# Altium PCB sna_pcb.PcbDoc
Units mm, origin at the board's own origin, x right, y up, seen from the top; angles counter-clockwise.
Board outline 60 x 60 mm, 4 copper layers (Top Layer, GND, PWR, Bottom Layer), stack 1.121 mm thick; 93 components, 54 nets, 266 pads, 239 vias.
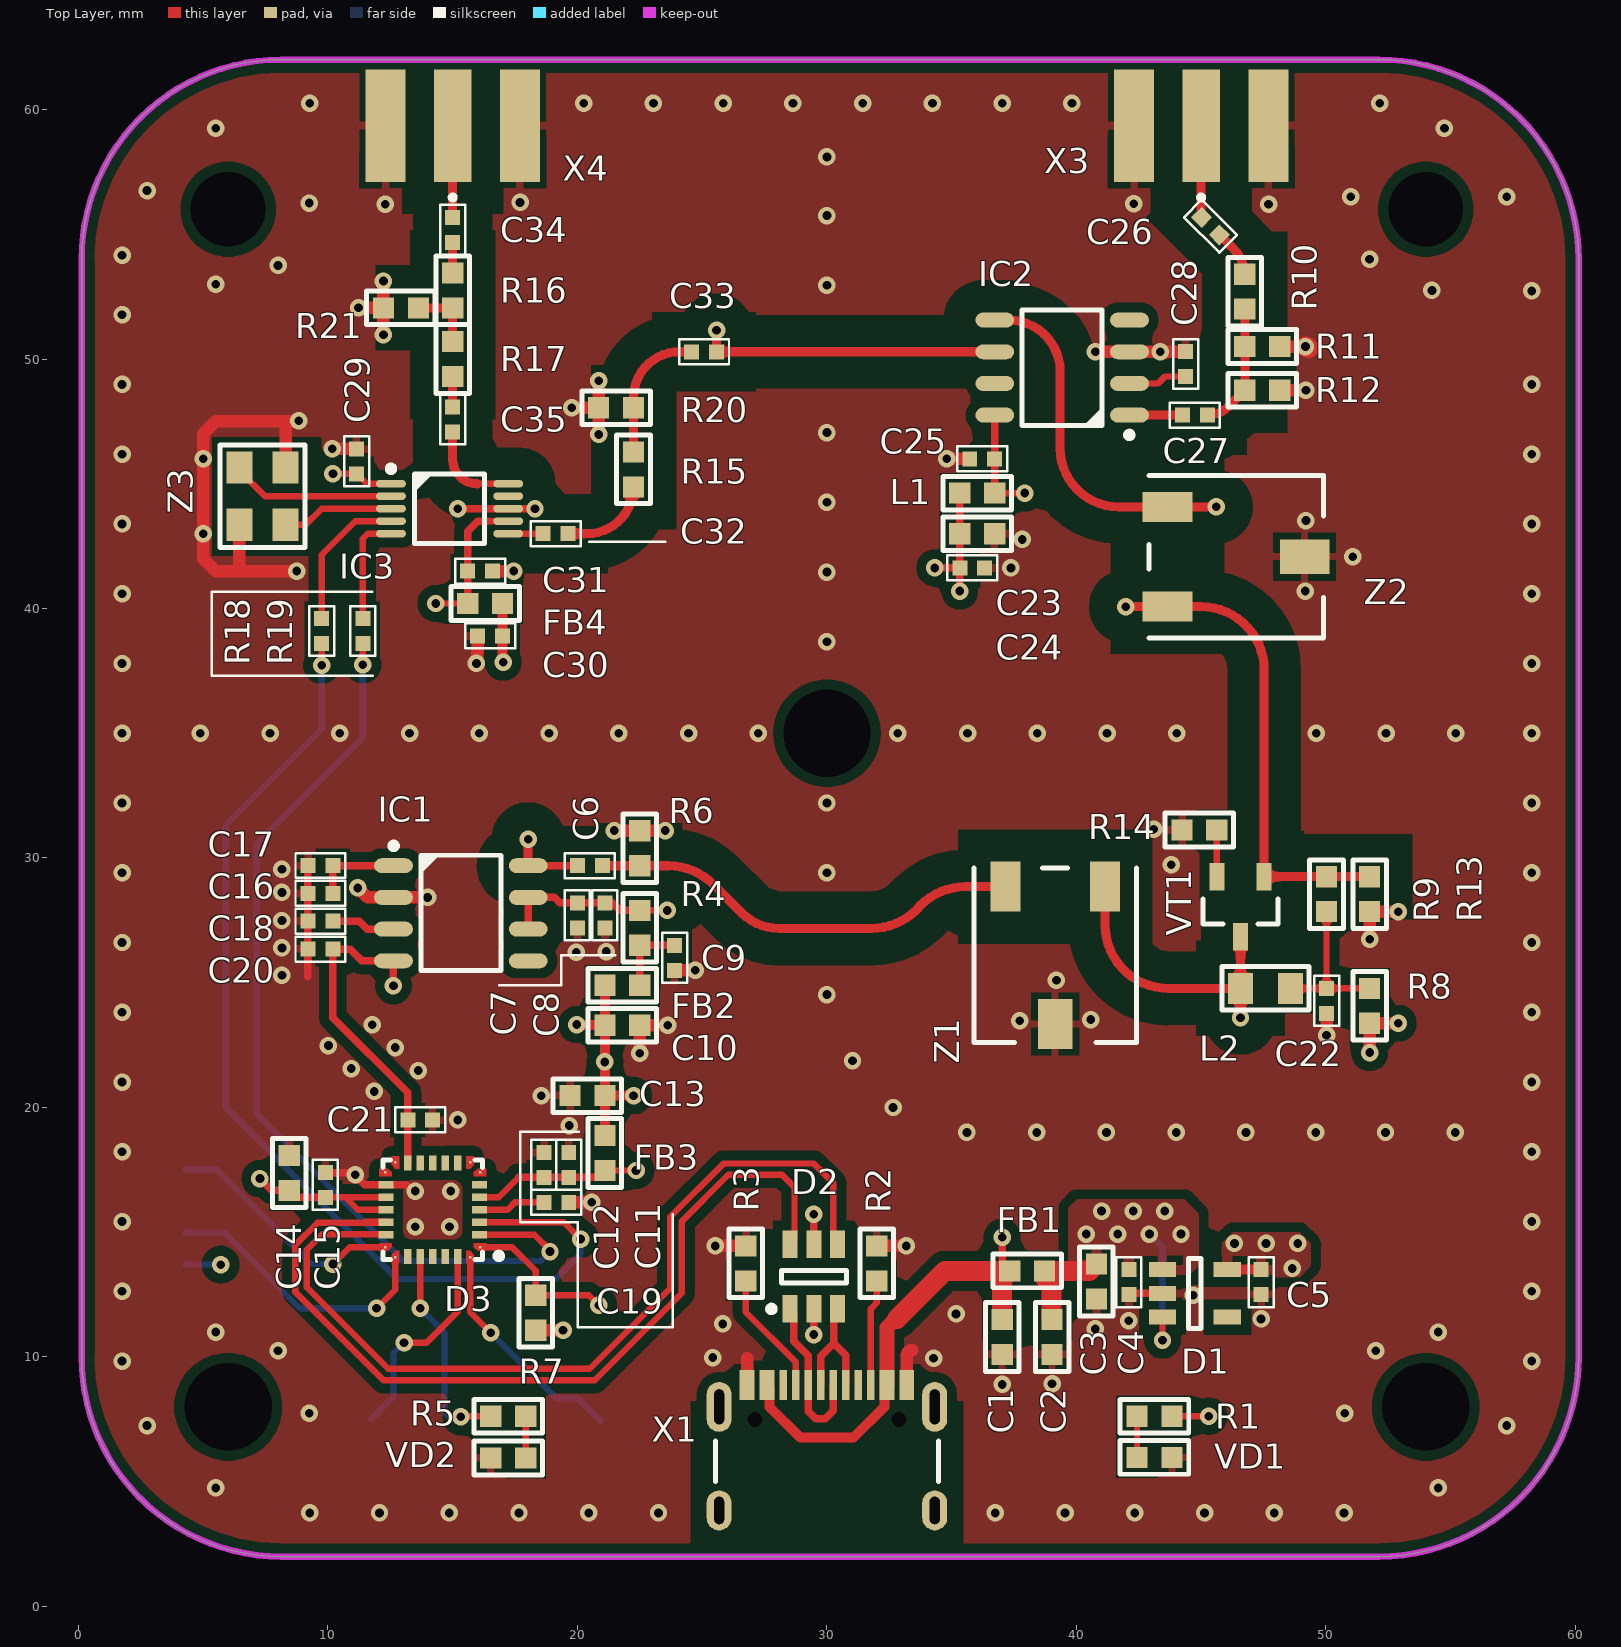
[diagram p0: Top Layer view]
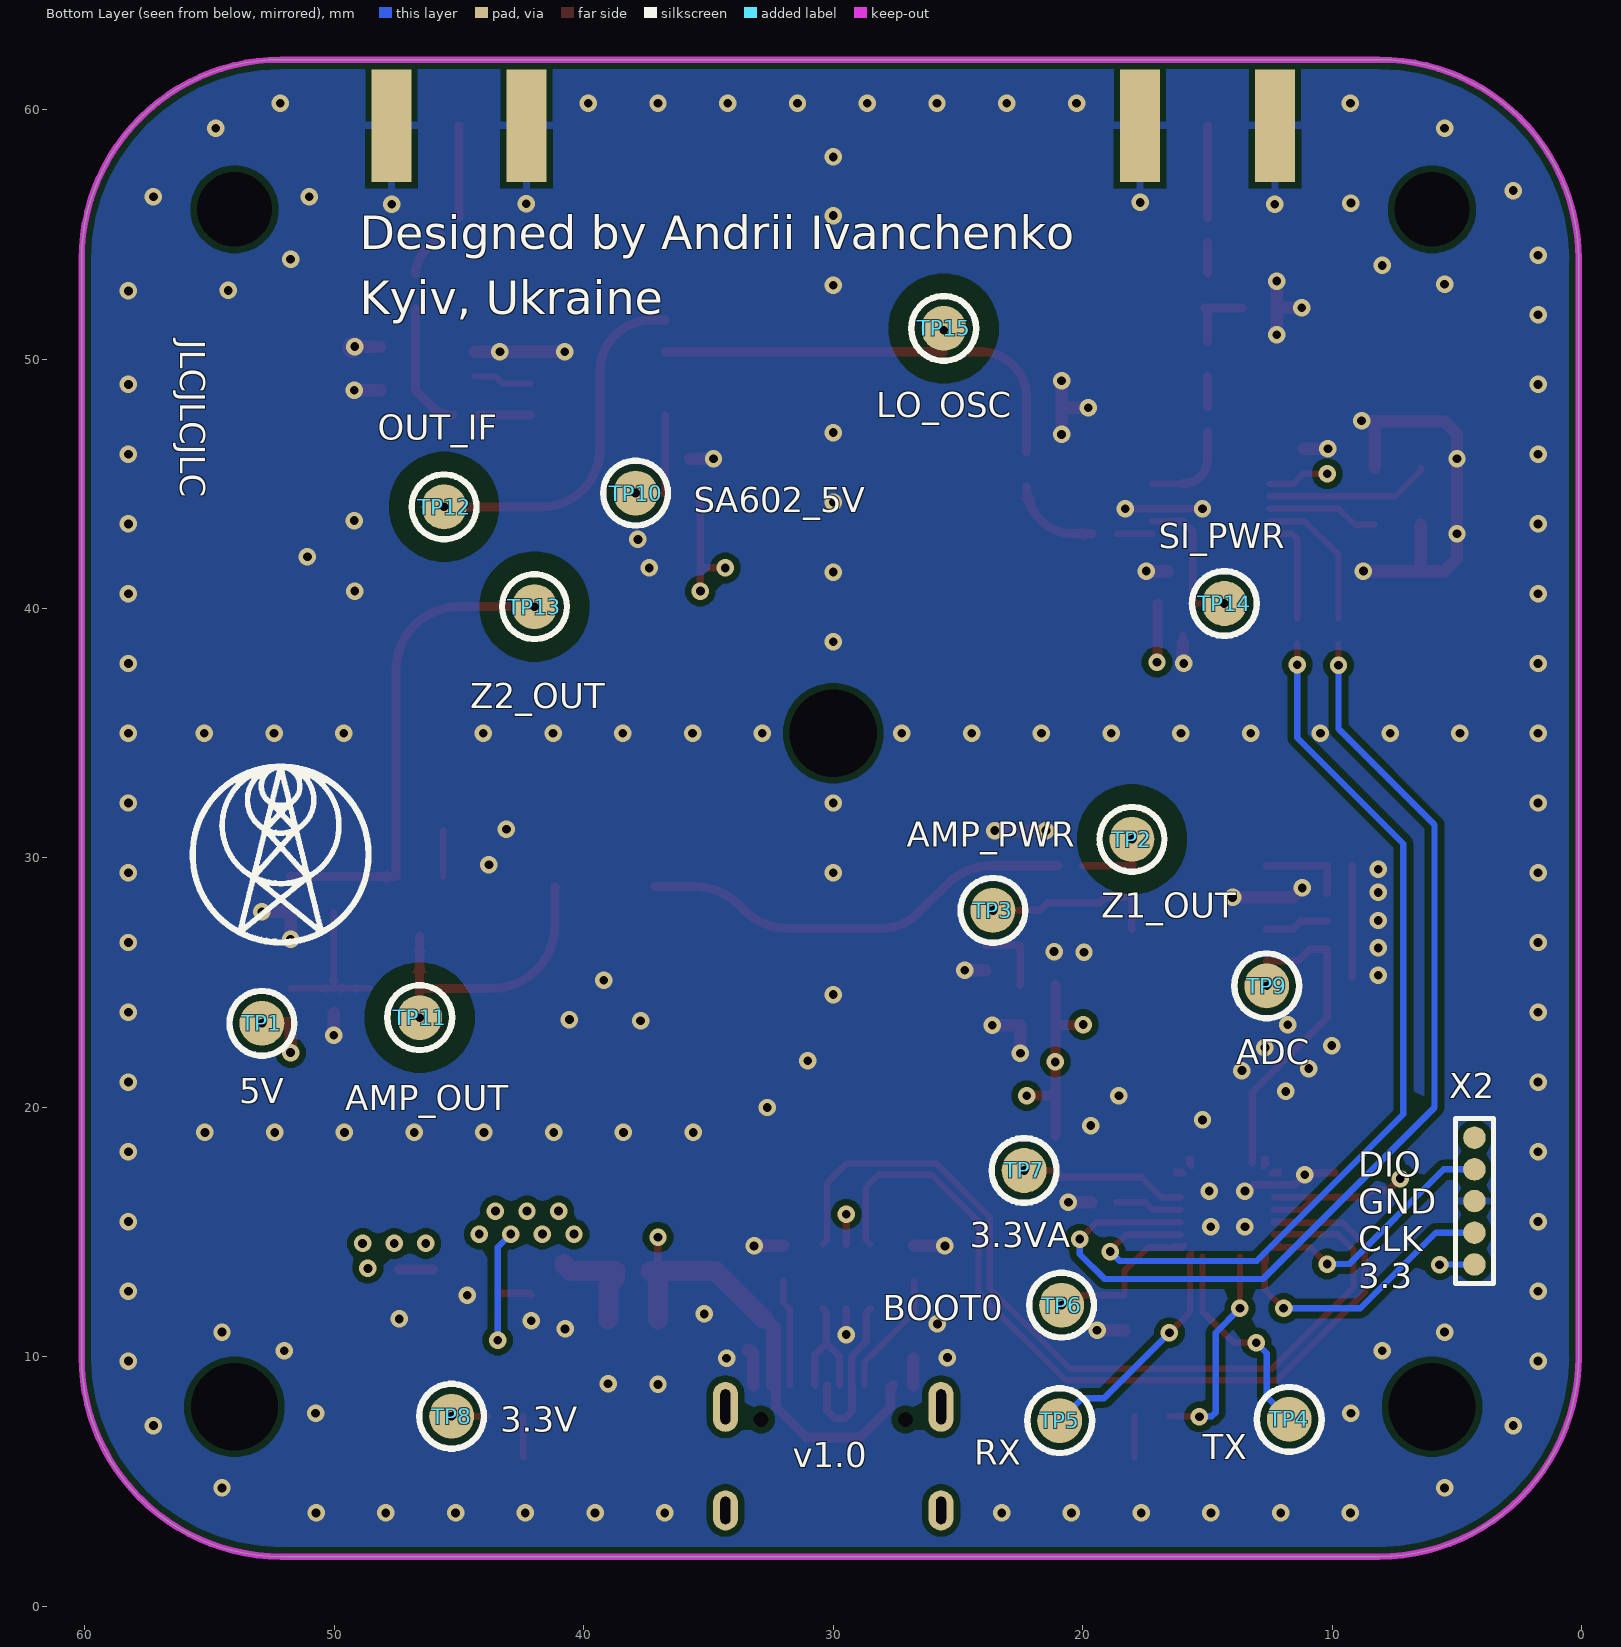
[diagram p1: Bottom Layer view, seen from below]
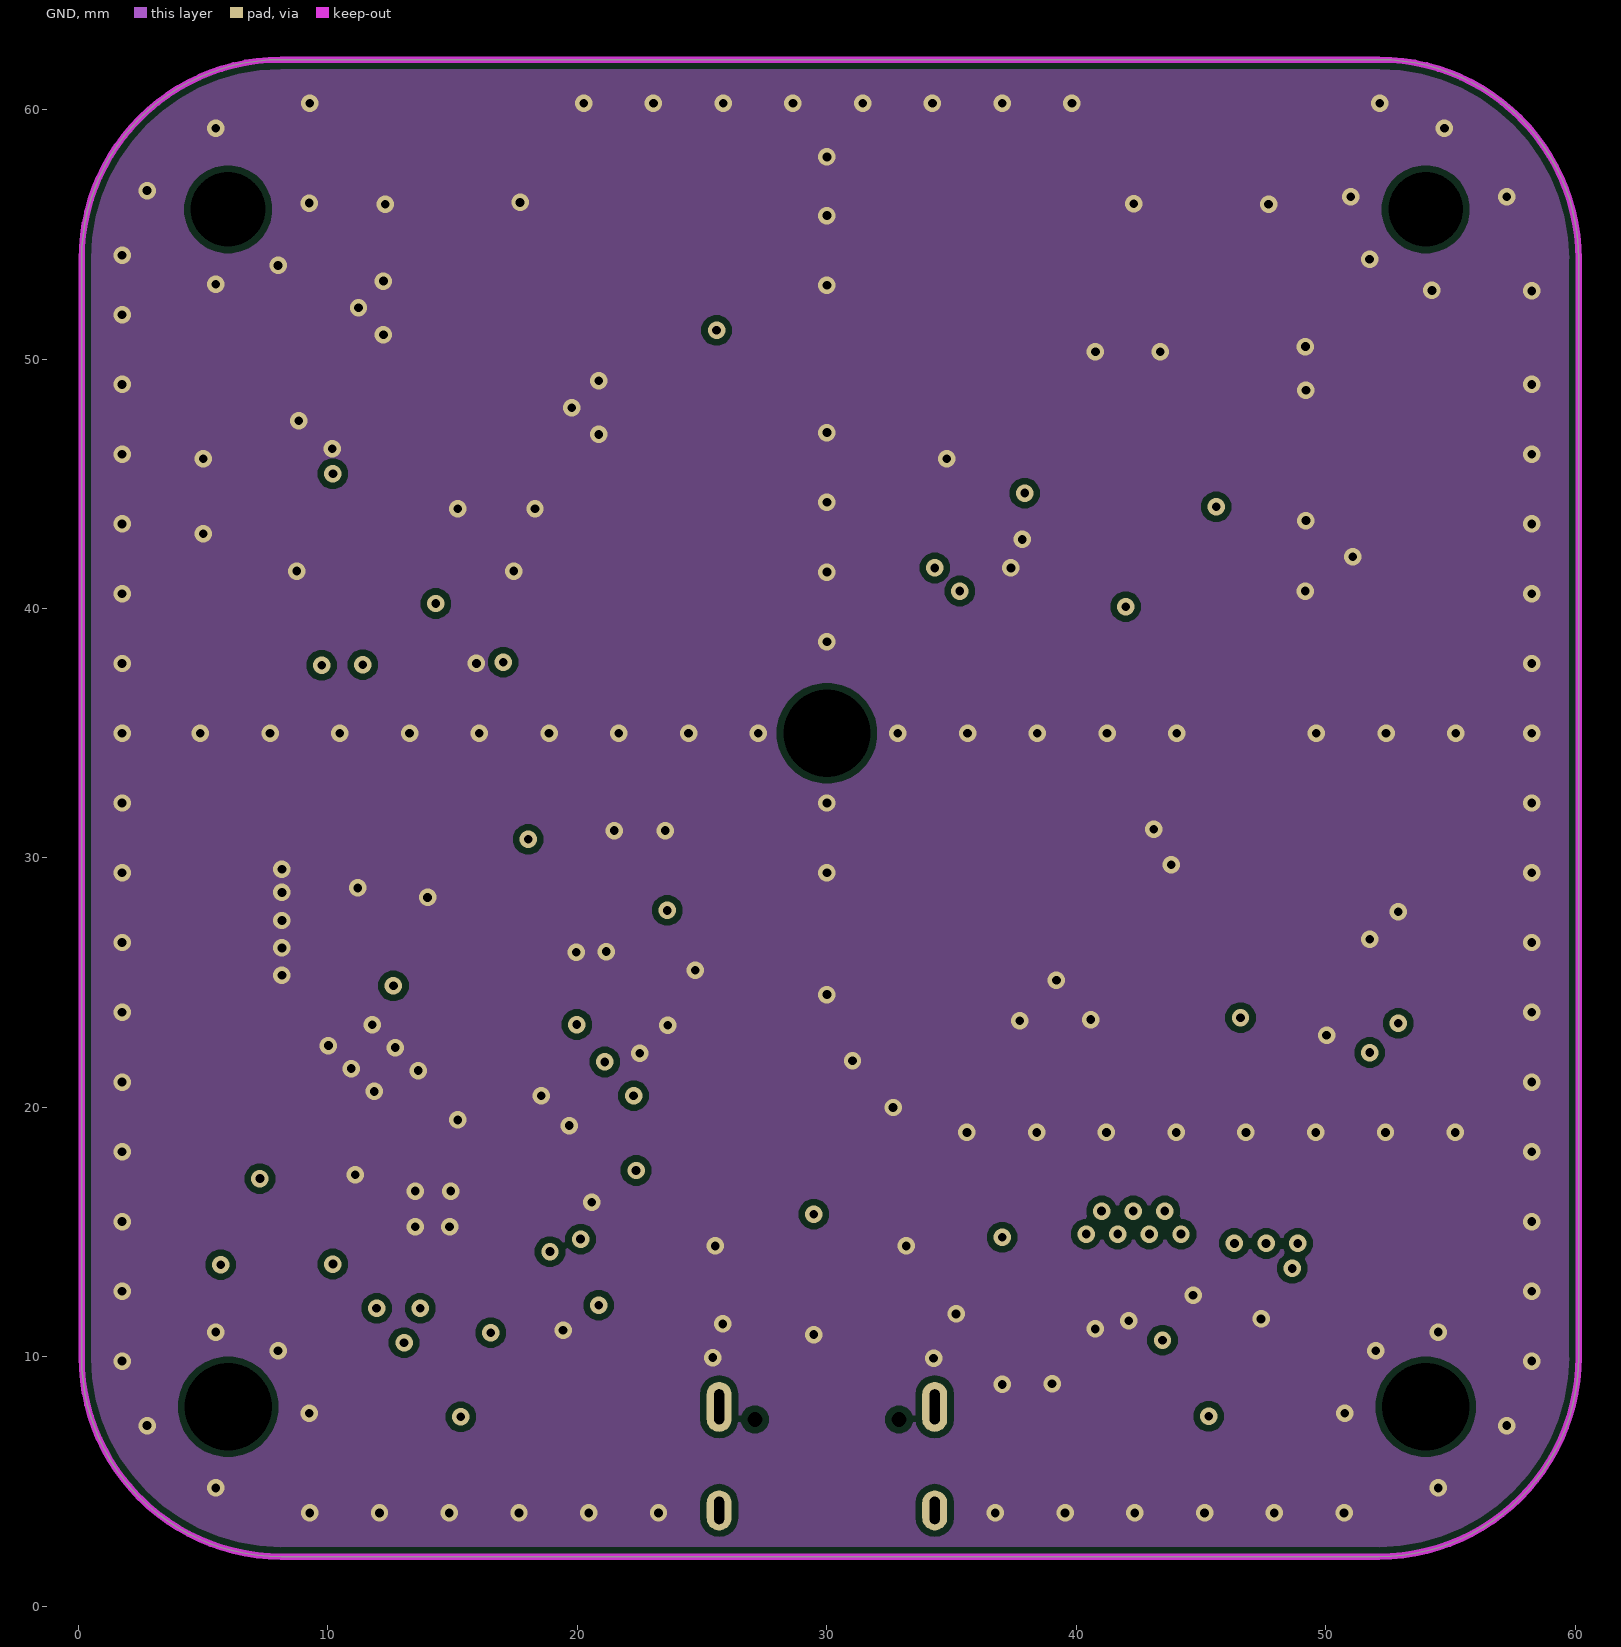
[diagram p2: GND]
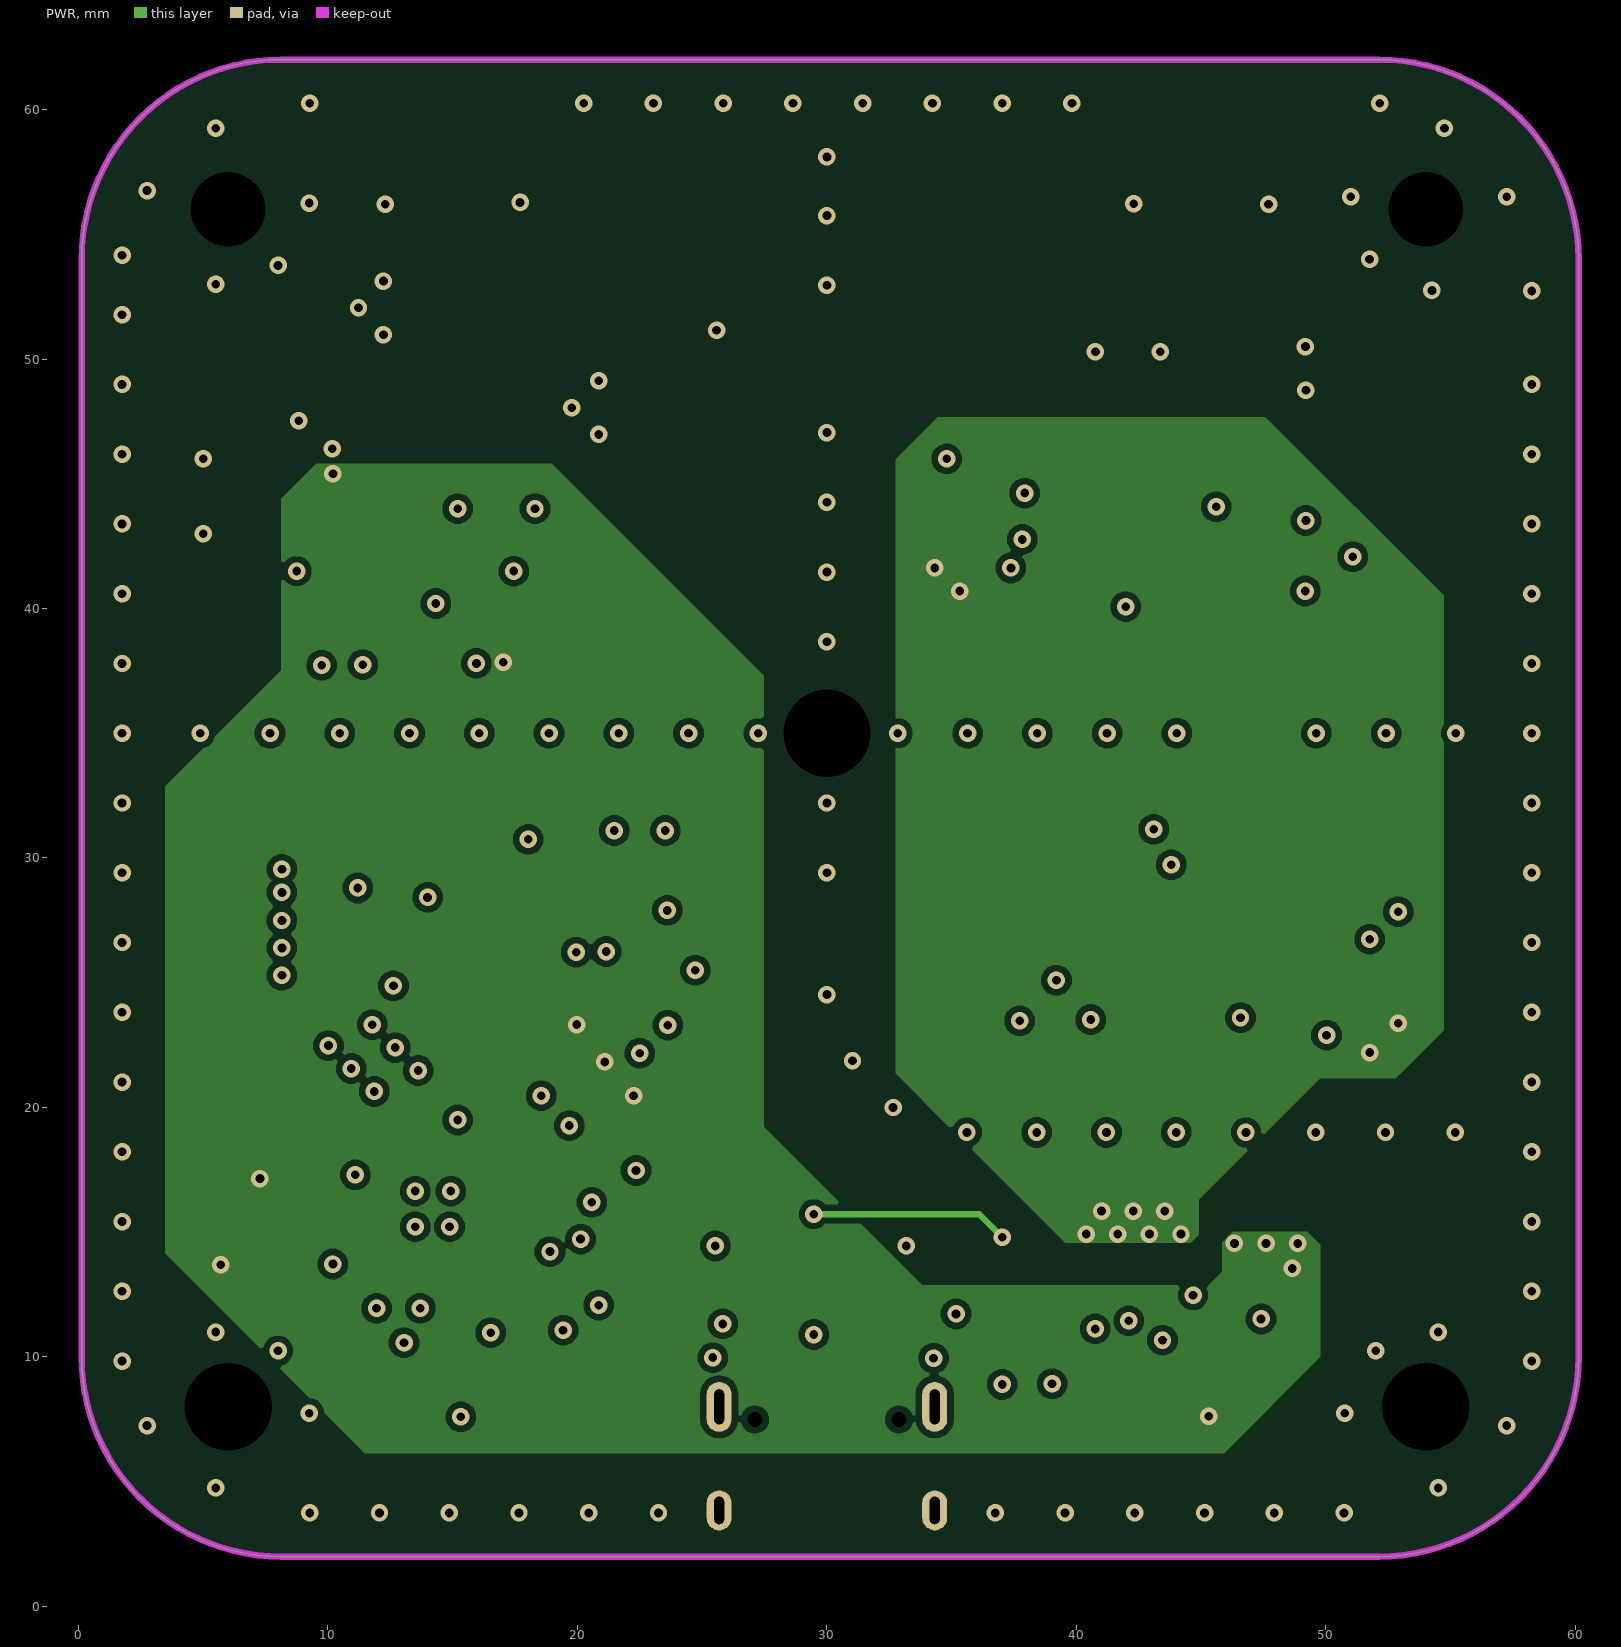
[diagram p3: PWR]
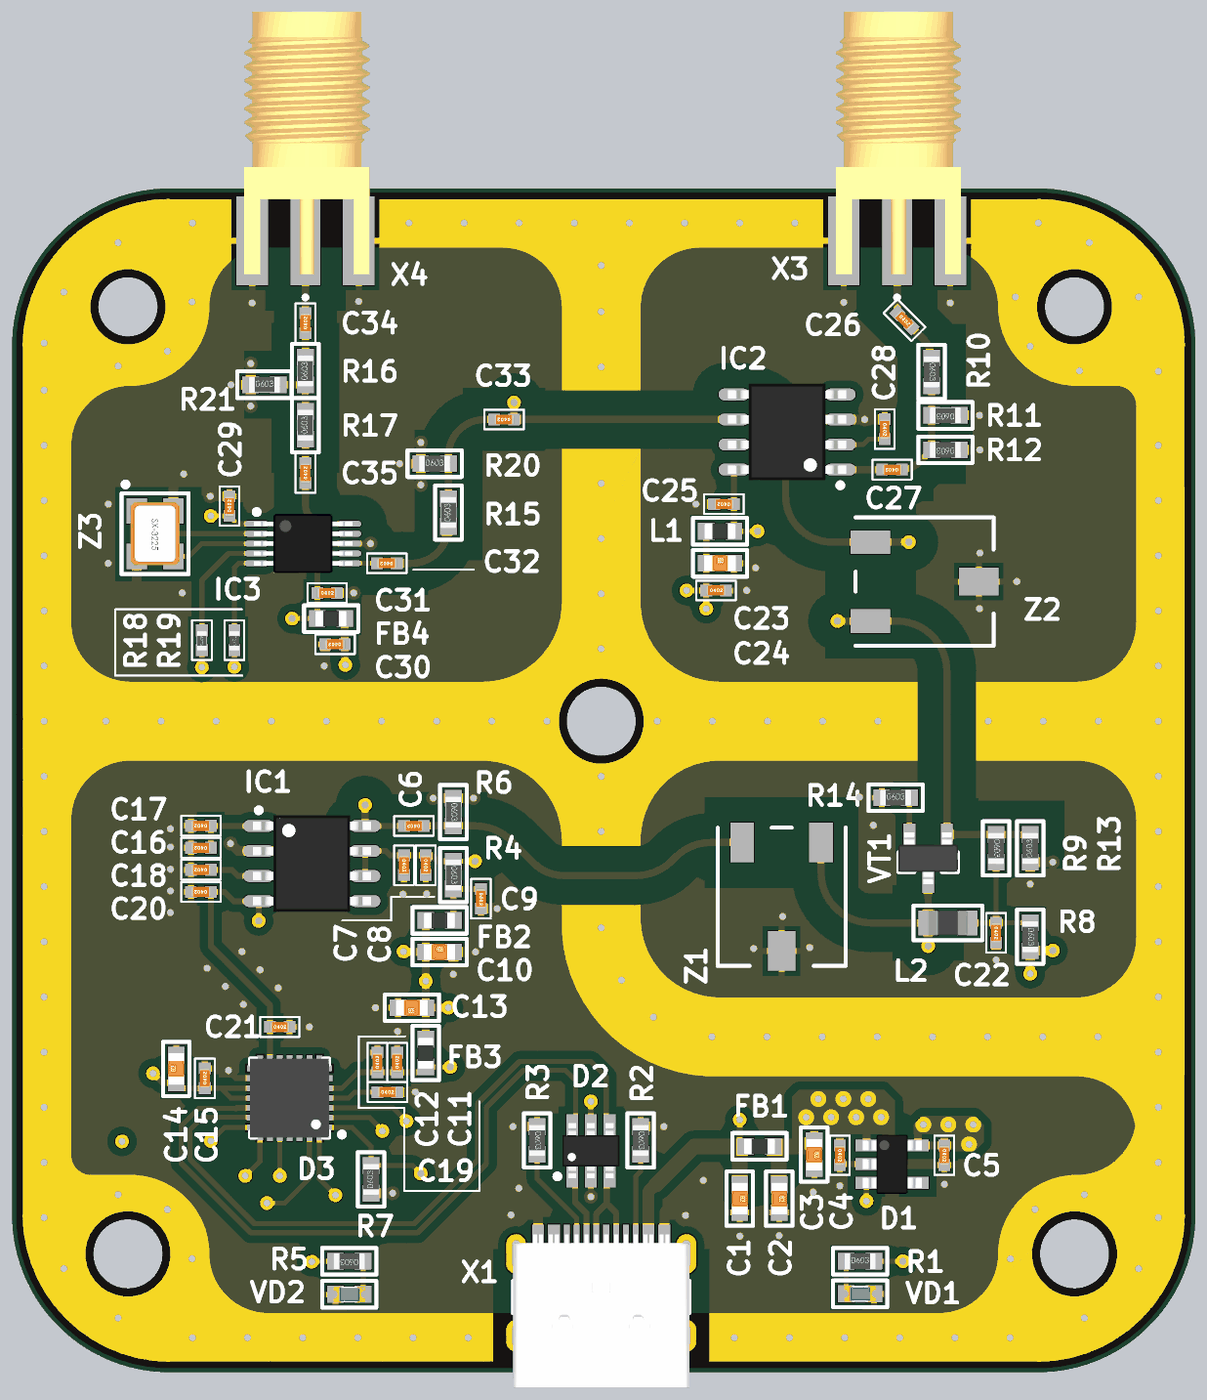
[diagram p4: 3D render of the assembled board from above, using the file's embedded part models]

## Layer stack, top to bottom
Top Solder: solder mask 0.0102, Solder Resist, Dk 3.5
Top Layer: signal copper 0.035
Dielectric 2: prepreg 0.2104, PP-022, Dk 4.5
GND: signal copper 0.0152
Dielectric 1: core 0.6, FR-4, Dk 4.8
PWR: signal copper 0.0152
Dielectric 3: prepreg 0.2104, PP-022, Dk 4.5
Bottom Layer: signal copper 0.035
Bottom Solder: solder mask 0.0102, Solder Resist, Dk 3.5

## Board outline
8.127,2 cw(c8.127,10) 0.127,10 0.127,54 cw(c8.127,54) 8.127,62 52.127,62 cw(c52.127,54) 60.127,54 60.127,10 cw(c52.127,10) 52.127,2

## Design rules (kind name [scope] priority, off if disabled: settings)
BoardOutlineClearance [All] p1: gap=0.2 ignorepadtopadclearanceinfootprint=FALSE
Clearance RF_GND_Clearance [InNetClass('RF') vs InNet('GND')] p1: gap=0.254 ignorepadtopadclearanceinfootprint=FALSE except(0.127: Arc-Arc Arc-Track Track-Track SMDPad-SMDPad; 0.2: Arc-SMDPad Track-SMDPad; 0.33: Arc-THPad Track-THPad; 0.5: THPad-THPad; 1.3: Arc-Fill Arc-Poly Arc-Region Track-Fill Track-Poly Track-Region SMDPad-Fill SMDPad-Poly SMDPad-Region THPad-Fill THPad-Poly THPad-Region Fill-Fill Fill-Poly Fill-Region Poly-Poly Poly-Region Region-Region)
Clearance GND_Pour_Clearence [All vs OnLayer('Top Layer') AND InNet('GND')] p2: gap=0.4 ignorepadtopadclearanceinfootprint=FALSE except(0.127: Arc-Arc Arc-Track Track-Track SMDPad-SMDPad; 0.2: Arc-SMDPad Track-SMDPad; 0.254: Arc-Via Arc-Text Arc-Hole Track-Via Track-Text Track-Hole SMDPad-THPad SMDPad-Via SMDPad-Text SMDPad-Hole THPad-Via THPad-Text THPad-Hole Via-Via Via-Text Via-Hole Fill-Text Fill-Hole Poly-Text Poly-Hole Region-Text Region-Hole Text-Text Text-Hole; 0.33: Arc-THPad Track-THPad; 0.5: THPad-THPad)
Clearance USB_Clearance [All vs (InNet('USB_N') OR InNet('USB_P') OR InNet('USB_CON_P')  OR InNet('USB_CON_N'))] p3: gap=0.254 ignorepadtopadclearanceinfootprint=FALSE except(0.127: Arc-Arc Arc-Track Arc-SMDPad Track-Track Track-SMDPad SMDPad-SMDPad; 0.15: Arc-Fill Arc-Poly Arc-Region Track-Fill Track-Poly Track-Region; 0.33: Arc-THPad Track-THPad; 0.5: THPad-THPad)
Clearance RF_50Ohm_Clearance [All vs (InNet('NetIC7_32') OR InNet('NetIC5_11'))] p4: gap=0.254 ignorepadtopadclearanceinfootprint=FALSE except(0.127: SMDPad-SMDPad; 0.16: Arc-SMDPad Arc-THPad Arc-Via Arc-Fill Arc-Poly Arc-Region Arc-Hole Track-SMDPad Track-THPad Track-Via Track-Fill Track-Poly Track-Region Track-Hole; 0.5: THPad-THPad)
Clearance [All] p5: gap=0.254 ignorepadtopadclearanceinfootprint=FALSE except(0.127: Arc-Arc Arc-Track Track-Track SMDPad-SMDPad; 0.2: Arc-SMDPad Track-SMDPad; 0.5: THPad-THPad)
DiffPairsRouting USB_Diff [InDifferentialPair('USB') OR InDifferentialPair('USB_CON')] p1: maxlimit=0.2 minlimit=0.127 mostfreqgap=0.2 toplayer_mingap=0.2 toplayer_minwidth=0.254 toplayer_maxwidth=0.304 toplayer_prefwidth=0.304 midlayer1_maxgap=0.127 midlayer1_prefgap=0.127 midlayer1_minwidth=0.146 midlayer1_maxwidth=0.146 midlayer1_prefwidth=0.146 midlayer2_maxgap=0.127 midlayer2_prefgap=0.127 midlayer2_minwidth=0.146 midlayer2_maxwidth=0.146 midlayer2_prefwidth=0.146 bottomlayer_mingap=0.2 bottomlayer_minwidth=0.304 bottomlayer_maxwidth=0.304 bottomlayer_prefwidth=0.304 impedanceprofiledriven=TRUE impedanceprofileid={66B2C4C7-7AE0-4196-91A7-177886AE1DB6} impedanceprofilevalue=90.000000 maxuncoupledlength=12.7
HoleSize [All] p1: absolutevalues=TRUE maxlimit=6.3 minlimit=0.2 maxpercent=80.000 minpercent=20.000
MinimumSolderMaskSliver MinimumSolderMaskSliver_TSSOP [InComponent('IC3') OR InComponent('IC4') OR InComponent('IC5') OR InComponent('IC6') OR InComponent('j1')] p1: minsoldermaskwidth=0.1
MinimumSolderMaskSliver [All] p2: minsoldermaskwidth=0.2
PolygonConnect GND_PolygonConnect [All vs InNet('GND')] p1: thpad.connectstyle=Relief thpad.reliefconductorwidth=0.3 thpad.reliefentries=4 thpad.polygonreliefangle="90 Angle" thpad.airgapwidth=0.254 smdpad.connectstyle=Relief smdpad.reliefconductorwidth=0.3 smdpad.reliefentries=4 smdpad.polygonreliefangle="90 Angle" smdpad.airgapwidth=0.254 via.connectstyle=Direct via.reliefconductorwidth=0.3 via.reliefentries=4 via.polygonreliefangle="90 Angle" via.airgapwidth=0.254
PolygonConnect PolygonConnect_1 [All vs (InNet('+5V') OR InNet('+3.3V') OR InNet('+3.3VA')  OR InNet('VCC'))] p2: thpad.connectstyle=Relief thpad.reliefconductorwidth=0.6 thpad.reliefentries=4 thpad.polygonreliefangle="90 Angle" thpad.airgapwidth=0.2 smdpad.connectstyle=Relief smdpad.reliefconductorwidth=0.4 smdpad.reliefentries=4 smdpad.polygonreliefangle="90 Angle" smdpad.airgapwidth=0.254 via.connectstyle=Direct via.reliefconductorwidth=0.254 via.reliefentries=4 via.polygonreliefangle="90 Angle" via.airgapwidth=0.254
PolygonConnect [All] p3: thpad.connectstyle=Relief thpad.reliefconductorwidth=0.254 thpad.reliefentries=4 thpad.polygonreliefangle="90 Angle" thpad.airgapwidth=0.254 smdpad.connectstyle=Relief smdpad.reliefconductorwidth=0.254 smdpad.reliefentries=4 smdpad.polygonreliefangle="90 Angle" smdpad.airgapwidth=0.254 via.connectstyle=Direct via.reliefconductorwidth=0.254 via.reliefentries=4 via.polygonreliefangle="90 Angle" via.airgapwidth=0.254
RoutingCorners [All] p1: cornerstyle=45-Degree minsetback=1.27 maxsetback=1.27
RoutingVias [All] p1: holewidth=0.35 width=0.7 viastyle="Through Hole" minholewidth=0.25 minwidth=0.5 maxholewidth=0.35 maxwidth=0.7
SMDEntry [All] p1: side=TRUE corner=TRUE anyangle=TRUE
SMDToCorner [All] p1: distance=0
SilkToSolderMaskClearance [IsPad] p1: minsilkscreentomaskgap=0.15 clearancetoexposedcopper=TRUE
SolderMaskExpansion StitchingGND [IsVia AND InNet('GND')] p1: expansion=0.102 istentingtop=TRUE
SolderMaskExpansion [All] p2: expansion=0.05 istentingtop=FALSE
UnRoutedNet [All] p1: checkbadconnections=TRUE
Width GND [InNet('GND')] p1: maxlimit=0.8 minlimit=0.254 preferedwidth=0.254 toplayer_minwidth=0.3 toplayer_prefwidth=0.5 midlayer1_maxwidth=0.254 midlayer2_maxwidth=0.254 bottomlayer_maxwidth=0.254 minimp=50.000000 maximp=50.000000 favimp=50.000000
Width Power [InNet('+VSYS') OR InNet('+3.3V') OR InNet('+5V') OR InNet('+3.3VA')] p2: maxlimit=0.8 minlimit=0.254 preferedwidth=0.254 midlayer1_maxwidth=0.254 midlayer2_maxwidth=0.254 bottomlayer_maxwidth=0.254 minimp=50.000000 maximp=50.000000 favimp=50.000000
Width 50_Ohm_Width [InNetClass('RF')] p3: maxlimit=0.363 minlimit=0.18 preferedwidth=0.363 midlayer1_minwidth=0.241 midlayer1_maxwidth=0.241 midlayer1_prefwidth=0.241 midlayer2_minwidth=0.241 midlayer2_maxwidth=0.241 midlayer2_prefwidth=0.241 bottomlayer_minwidth=0.363 impedanceprofiledriven=TRUE impedanceprofileid={E4B6F2A0-839A-4F06-B236-5EA1C156553D} impedanceprofilevalue=50.000000 minimp=50.000000 maximp=50.000000 favimp=50.000000
Width [All] p4: maxlimit=0.3 minlimit=0.18 preferedwidth=0.254 midlayer1_minwidth=0.254 midlayer1_maxwidth=0.254 midlayer2_minwidth=0.254 midlayer2_maxwidth=0.254 bottomlayer_minwidth=0.254 bottomlayer_maxwidth=0.254 minimp=50.000000 maximp=50.000000 favimp=50.000000
24 further rules are at their usual default settings.

## Classes and differential pairs
net class RF: CLK0 CLK2 IN_A INP LO_OSC NetC6_1 NetC26_1 NetC26_2 NetC27_1 NetC32_1 NetC33_2 NetC34_1 NetC34_2 NetC35_2 NetL2_2 NetR9_1 NetR16_1 OUT_B
component class 02_rf_front_end: C22 C23 C24 C25 C26 C27 C28 C29 C30 C31 C32 C33 C34 C35 FB4 IC2 IC3 L1 L2 R8 R9 R10 R11 R12 R13 R14 R15 R16 R17 R18 R19 R20 R21 TP10 TP11 TP12 TP13 TP14 TP15 VT1 X3 X4 Z1 Z2 Z3
component class 01_digital_back_end: C1 C2 C3 C4 C5 C6 C7 C8 C9 C10 C11 C12 C13 C14 C15 C16 C17 C18 C19 C20 C21 D1 D2 D3 FB1 FB2 FB3 IC1 R1 R2 R3 R4 R5 R6 R7 TP1 TP2 TP3 TP4 TP5 TP6 TP7 TP8 TP9 VD1 VD2 X1 X2
differential pair USB: +USB_P -USB_N
differential pair USB_CON: +USB_CON_P -USB_CON_N
